# Allegro board XS6-9.brd (continued)
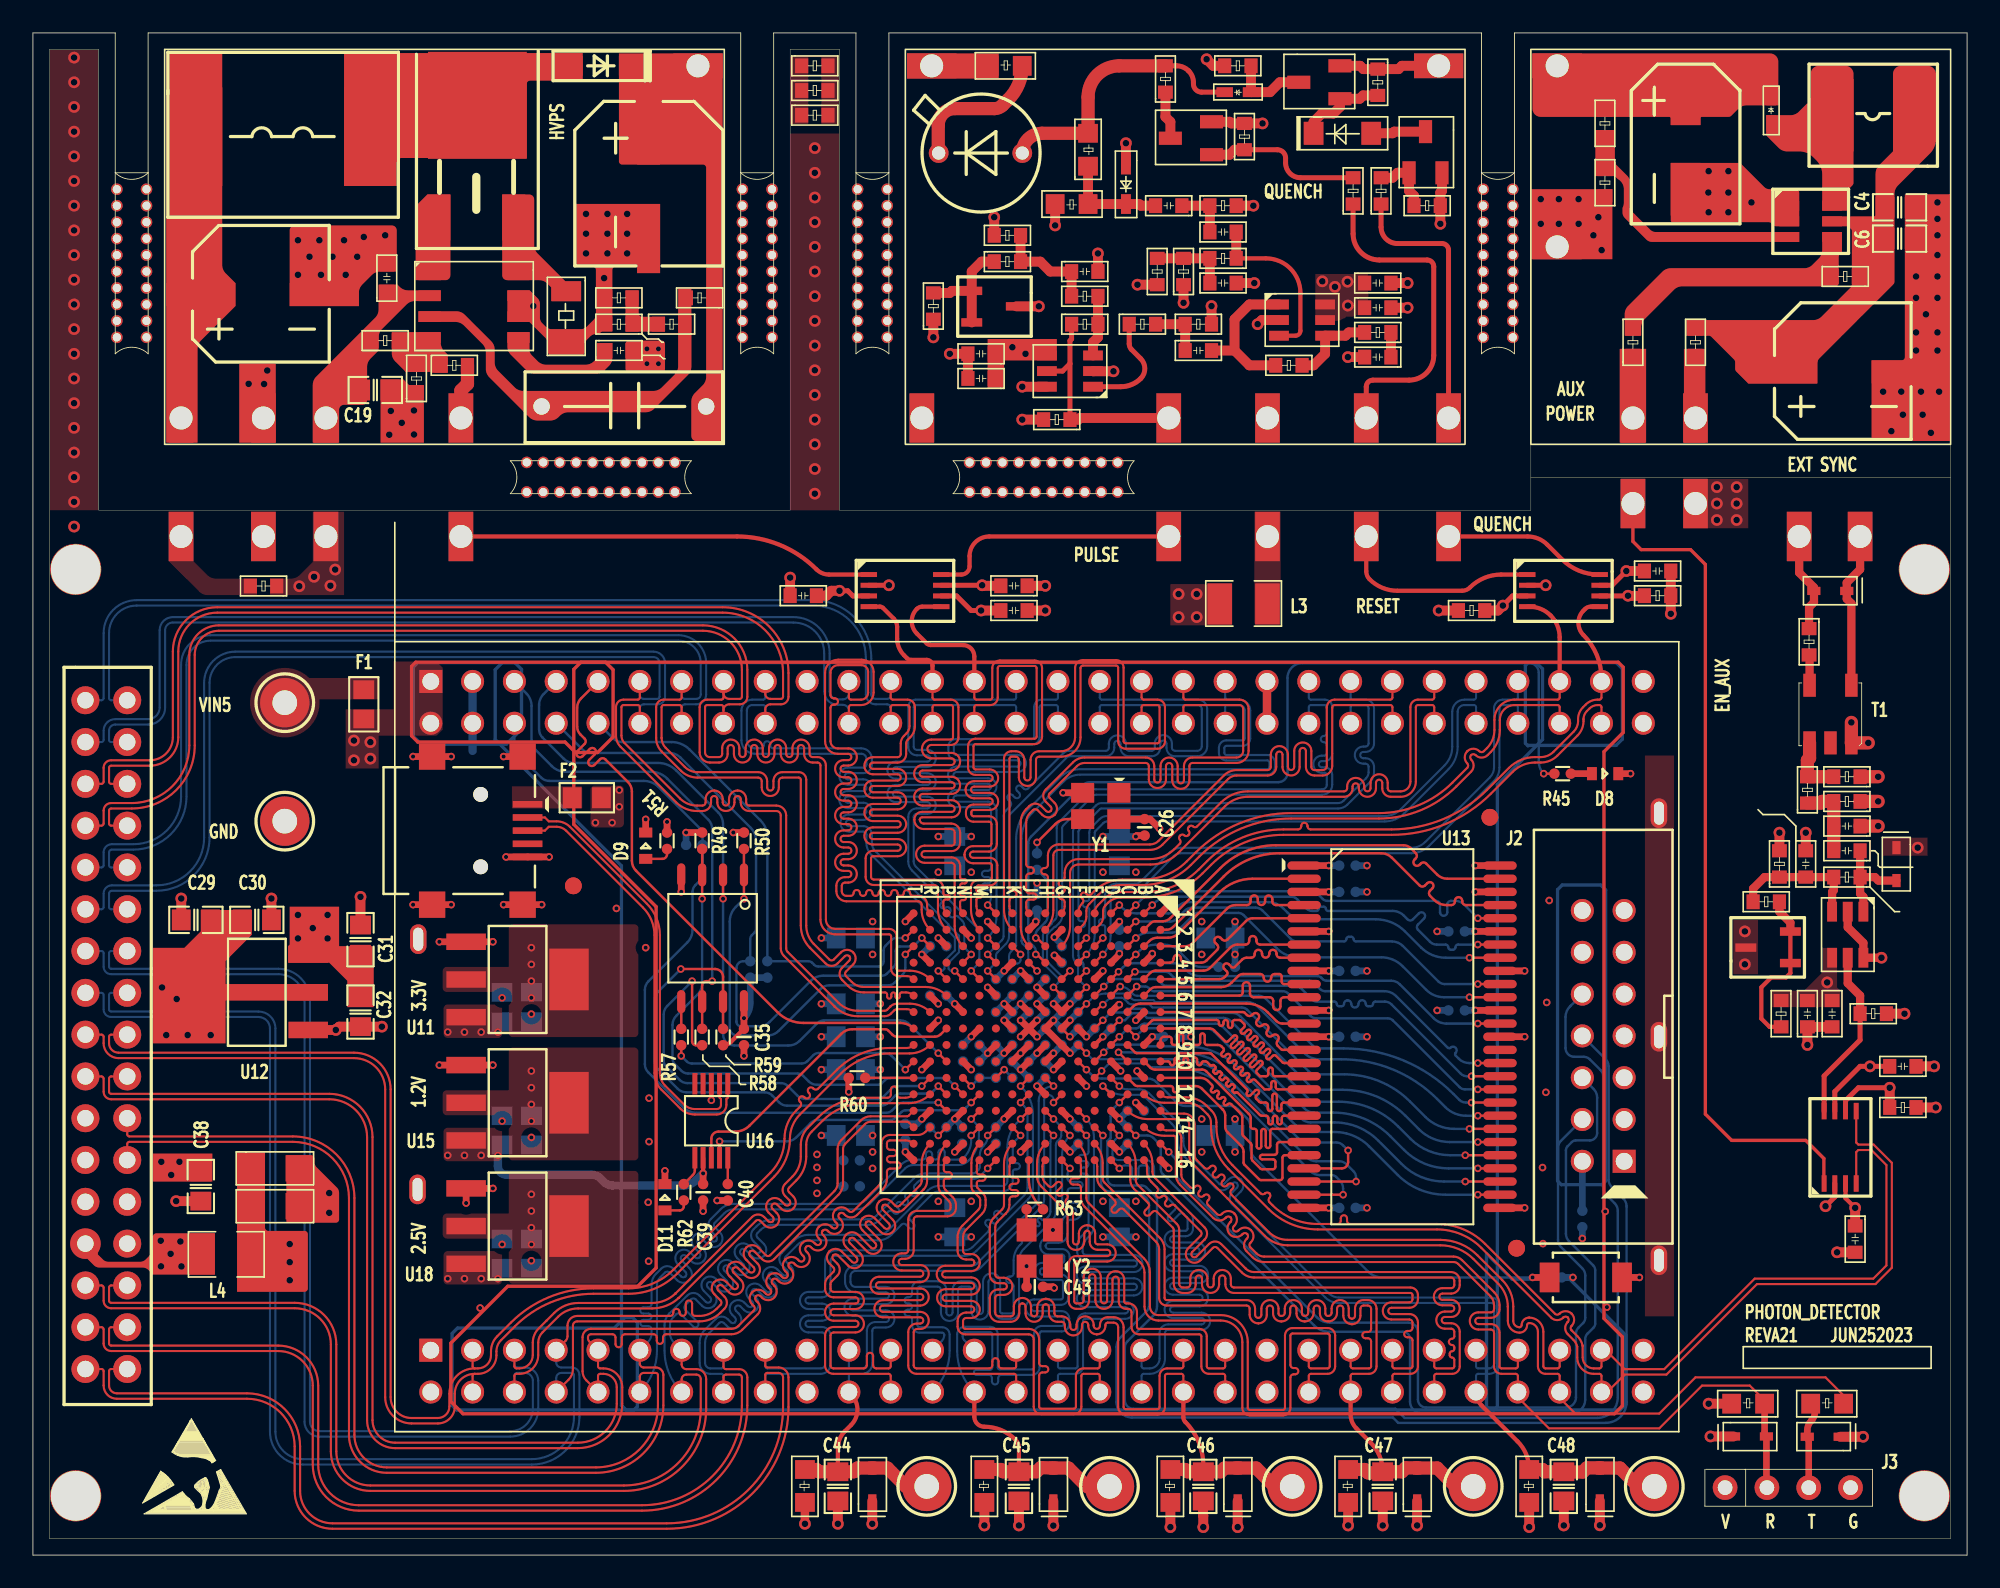
[diagram p0: board, top side]
## Routing (per net, layer and track width the routed paths; a pad name or vN(x,y) marks a point on that pad's centre or on a via; arc(x,y) is an arc through that point) (continued)
G12_L38P_1: length 51.4
  TOP w0.147: U14.G12 v3(62,27.5)
  TOP w0.254: C44.1 48.9,6.5 arc(49.01,7.05) 49.32,7.52 49.7,7.9 arc(50.09,8.84) 49.7,9.78 J6.22
  TOP w0.8: R66.1 47.6,5.2 47.74,5.06 C44.1 49.86,5.06 50.09,5.29 D14.2 51.91,5.29 53.02,4.18 TP31.1
  BOTTOM w0.127: J6.22 49.57,10.89 arc(49.61,10.98) 49.7,11.01 50.36,11.01 arc(50.81,11.2) 50.99,11.65 50.99,13.64 arc(51.05,13.78) 51.18,13.83 51.82,13.83 arc(52.34,14.35) 51.82,14.87 49.82,14.87 arc(49.63,15.06) 49.82,15.25 51.82,15.25 arc(52.34,15.77) 51.82,16.3 49.97,16.3 arc(49.76,16.39) 49.67,16.6 49.67,16.93 arc(49.77,17.18) 50.01,17.28 57.12,17.28 arc(57.36,17.32) 57.56,17.46 61.23,21.13 arc(61.38,21.35) 61.43,21.62 61.43,27.66 arc(61.72,27.95) 62,27.66 v3(62,27.5)
G14_L36P_1: length 52.7
  TOP w0.147: U14.G14 v3(63,25.5)
  TOP w0.254: J6.28 57.19,8.41 arc(57.37,7.98) 57.8,7.8 arc(58.82,7.6) 59.68,7.02 59.7,7 arc(59.85,6.78) 59.9,6.52 C45.1
  TOP w0.8: R67.1 58.8,5.2 58.94,5.06 C45.1 60.96,5.06 61.24,5.32 D15.2 62.91,5.29 64.02,4.18 TP32.1
  BOTTOM w0.127: J6.28 57.17,9.93 arc(56.41,11.06) 56.15,12.4 56.15,13.42 arc(56.28,13.74) 56.61,13.87 58.16,13.87 arc(58.48,13.74) 58.61,13.42 58.61,11.41 arc(58.65,11.32) 58.74,11.28 60.7,11.28 arc(60.79,11.32) 60.82,11.41 60.82,13.47 arc(60.96,13.79) 61.28,13.92 62.5,13.92 arc(62.59,13.96) 62.63,14.05 62.63,14.37 arc(62.59,14.46) 62.5,14.49 60.83,14.49 arc(60.31,15.02) 60.83,15.54 62.45,15.54 arc(62.54,15.57) 62.58,15.66 62.58,16.59 arc(62.54,16.68) 62.45,16.72 61.3,16.72 arc(60.98,16.85) 60.85,17.17 60.85,17.28 arc(60.99,17.62) 61.33,17.76 62.52,17.76 arc(62.61,17.8) 62.65,17.89 62.65,18.14 arc(62.61,18.23) 62.52,18.27 61.71,18.27 arc(61.34,18.42) 61.19,18.79 arc(61.34,19.16) 61.71,19.31 62.3,19.31 arc(62.46,19.37) 62.52,19.54 62.52,20.19 arc(62.68,20.56) 63.04,20.71 63.2,20.71 arc(63.39,20.9) 63.2,21.09 63.04,21.09 arc(62.68,21.24) 62.52,21.61 62.52,24.35 arc(62.65,24.97) v3(63,25.5)
G16_L36N_1: length 37.9
  TOP w0.147: U14.G16 v3(63,23.5)
  BOTTOM w0.127: J6.27 56.69,12.95 56.57,13.07 arc(56.5,13.17) 56.48,13.29 56.48,13.42 arc(56.52,13.51) 56.61,13.54 58.16,13.54 arc(58.25,13.51) 58.28,13.42 58.28,11.41 arc(58.24,11.3) 58.13,11.26 57.32,11.26 arc(57.16,11.1) 57.32,10.95 58.07,10.95 arc(58.2,10.9) 58.26,10.76 58.26,10.56 arc(58.45,10.37) 58.64,10.56 58.64,10.76 arc(58.7,10.9) 58.83,10.95 60.7,10.95 arc(61.02,11.09) 61.15,11.41 61.15,13.47 arc(61.19,13.56) 61.28,13.59 62.5,13.59 arc(62.82,13.73) 62.96,14.05 62.96,14.37 arc(62.82,14.69) 62.5,14.82 60.83,14.82 arc(60.64,15.02) 60.83,15.21 62.45,15.21 arc(62.77,15.34) 62.91,15.66 62.91,16.59 arc(62.77,16.91) 62.45,17.05 61.3,17.05 arc(61.21,17.08) 61.18,17.17 61.18,17.28 arc(61.22,17.38) 61.33,17.43 62.52,17.43 arc(62.85,17.56) 62.98,17.89 62.98,18.14 arc(62.85,18.46) 62.52,18.6 61.71,18.6 arc(61.58,18.65) 61.52,18.79 arc(61.58,18.92) 61.71,18.98 62.3,18.98 arc(62.69,19.14) 62.85,19.54 62.85,20.19 arc(62.91,20.33) 63.04,20.38 63.2,20.38 arc(63.72,20.9) 63.2,21.42 63.04,21.42 arc(62.91,21.48) 62.85,21.61 62.85,22.11 arc(62.91,22.25) 63.04,22.3 63.58,22.3 arc(63.77,22.49) 63.58,22.68 63.04,22.68 arc(62.91,22.74) 62.85,22.87 62.85,23.15 arc(62.89,23.34) v3(63,23.5)
H1_L39N_3: length 37.2
  TOP w0.127: J4.47 82.59,52.11 arc(82.55,52.02) 82.46,51.98 79.08,51.98 arc(78.74,51.84) 78.6,51.5 78.6,47.95 arc(78.53,47.78) 78.35,47.71 77.86,47.71 arc(77.72,47.76) 77.66,47.9 77.66,48.86 arc(77.14,49.38) 76.62,48.86 76.62,47.9 arc(76.43,47.71) 76.24,47.9 76.24,48.64 arc(75.72,49.16) 75.2,48.64 75.2,47.9 arc(75.15,47.76) 75.01,47.71 73.13,47.71 arc(72.72,47.62) 72.37,47.39 68.38,43.4 arc(68.14,43.24) 67.86,43.18 62.32,43.18 arc(61.85,42.99) 61.66,42.52 61.66,41.94 arc(61.6,41.81) 61.47,41.75 61.44,41.75 arc(61.25,41.56) 61.44,41.37 61.47,41.37 arc(61.6,41.31) 61.66,41.18 61.66,39.39 arc(61.62,39.18) U14.H1
H2_L39P_3: length 37.3
  TOP w0.127: J4.48 82.59,51.53 arc(82.55,51.62) 82.46,51.65 79.08,51.65 arc(78.98,51.61) 78.93,51.5 78.93,47.95 arc(78.76,47.54) 78.35,47.38 77.86,47.38 arc(77.49,47.53) 77.33,47.9 77.33,48.86 arc(77.14,49.05) 76.95,48.86 76.95,47.9 arc(76.43,47.38) 75.91,47.9 75.91,48.64 arc(75.72,48.83) 75.53,48.64 75.53,47.9 arc(75.38,47.53) 75.01,47.38 73.13,47.38 arc(72.84,47.32) 72.6,47.15 68.61,43.17 arc(68.27,42.93) 67.86,42.85 62.32,42.85 arc(62.09,42.76) 61.99,42.52 61.99,39.18 arc(61.86,38.54) U14.H2
H3_50MHZ_CLK: length 5.4
  TOP w0.147: U14.H3 61.05,37.45 arc(60.99,37.49) v3(60.92,37.5)
  BOTTOM w0.147: v3(60.92,37.5) 60.92,37.72 arc(60.95,37.86) 61.04,37.99 61.48,38.43 arc(61.6,38.61) 61.64,38.81 61.64,40.75 arc(61.59,40.98) 61.46,41.18 R72.1
H4_LED_3: length 54.1
  TOP w0.147: U14.H4 61.05,36.45 arc(60.99,36.49) v3(60.92,36.5) ; R45.2 v3(91.78,47.49)
  BOTTOM w0.147: v3(60.92,36.5) 60.92,36.7 arc(60.89,36.85) 60.81,36.97 60.57,37.21 arc(60.49,37.33) 60.47,37.46 60.47,43.26 arc(60.51,43.47) 60.63,43.65 63.75,46.77 arc(63.97,46.92) 64.23,46.97 75.65,46.97 arc(76.05,47.13) 76.21,47.53 76.21,53.3 arc(76.48,53.94) 77.12,54.21 90.9,54.21 arc(91.31,54.04) 91.48,53.62 91.48,48.21 arc(91.56,47.82) v3(91.78,47.49)
H11_L38N_1: length 37.9
  TOP w0.147: U14.H11 v3(62,28.5)
  BOTTOM w0.127: J6.21 49.57,11.47 arc(49.61,11.38) 49.7,11.34 50.36,11.34 arc(50.57,11.43) 50.66,11.65 50.66,13.64 arc(50.81,14.01) 51.18,14.16 51.82,14.16 arc(52.01,14.35) 51.82,14.54 49.82,14.54 arc(49.3,15.06) 49.82,15.58 51.82,15.58 arc(52.01,15.77) 51.82,15.97 49.97,15.97 arc(49.52,16.15) 49.34,16.6 49.34,16.93 arc(49.53,17.41) 50.01,17.61 57.12,17.61 arc(57.23,17.63) 57.33,17.69 60.33,20.69 arc(60.35,20.75) 60.33,20.82 arc(60.3,20.88) 60.33,20.94 60.47,21.09 arc(60.53,21.11) 60.59,21.09 arc(60.66,21.06) 60.72,21.09 60.99,21.36 arc(61.07,21.48) 61.1,21.62 61.1,27.6 arc(61.36,28.24) v3(62,28.5)
H13_L39P_1: length 37.9
  TOP w0.147: U14.H13 v3(62,26.5)
  BOTTOM w0.127: v3(62,26.5) 62.31,26.19 62.37,26.13 arc(62.45,26.02) 62.47,25.89 62.47,25.5 arc(62.45,25.39) 62.38,25.29 62.23,25.14 arc(62.19,25.08) 62.16,25.02 arc(62.15,24.97) 62.14,24.92 62.14,20.88 arc(62.08,20.58) 61.91,20.32 60.2,18.61 arc(59.98,18.29) 59.91,17.9 59.91,14.81 arc(59.77,14.49) 59.45,14.36 58.89,14.36 arc(58.56,14.49) 58.43,14.81 58.43,16.6 arc(58.24,16.79) 58.05,16.6 58.05,14.83 arc(57.53,14.31) 57.01,14.83 57.01,16.18 arc(56.97,16.27) 56.88,16.31 56.39,16.31 arc(56.26,16.26) 56.2,16.12 56.2,14.75 arc(55.68,14.23) 55.16,14.75 55.16,16.12 arc(55.1,16.26) 54.97,16.31 53.86,16.31 arc(53.77,16.27) 53.74,16.18 53.74,13.97 arc(53.77,13.88) 53.86,13.85 55.23,13.85 arc(55.56,13.71) 55.69,13.39 55.69,12.42 arc(55.42,11.06) J6.26
H14_L39N_1: length 37.9
  TOP w0.147: U14.H14 v3(62,25.5)
  BOTTOM w0.127: v3(62,25.5) 61.95,25.44 arc(61.85,25.3) 61.81,25.12 61.81,20.88 arc(61.78,20.7) 61.68,20.55 61.5,20.37 arc(61.41,20.34) 61.32,20.37 61.24,20.45 arc(61.06,20.45) 61.06,20.27 61.14,20.19 arc(61.14,20.01) 60.96,20.01 60.88,20.09 arc(60.7,20.09) 60.7,19.91 60.78,19.83 arc(60.78,19.65) 60.6,19.65 60.52,19.73 arc(60.34,19.73) 60.34,19.55 60.42,19.47 arc(60.42,19.29) 60.24,19.29 60.16,19.37 arc(59.98,19.37) 59.98,19.19 60.06,19.11 arc(60.09,19.02) 60.06,18.93 59.97,18.84 arc(59.68,18.41) 59.58,17.9 59.58,17.12 arc(59.52,16.98) 59.39,16.93 59.31,16.93 arc(59.12,16.74) 59.31,16.55 59.39,16.55 arc(59.52,16.49) 59.58,16.36 59.58,14.81 arc(59.54,14.72) 59.45,14.69 58.89,14.69 arc(58.8,14.72) 58.76,14.81 58.76,16.6 arc(58.24,17.12) 57.72,16.6 57.72,14.83 arc(57.53,14.64) 57.34,14.83 57.34,16.18 arc(57.2,16.51) 56.88,16.64 56.39,16.64 arc(56.02,16.49) 55.87,16.12 55.87,14.75 arc(55.68,14.56) 55.49,14.75 55.49,16.12 arc(55.34,16.49) 54.97,16.64 53.86,16.64 arc(53.54,16.51) 53.41,16.18 53.41,15.86 arc(53.35,15.73) 53.21,15.67 53.14,15.67 arc(52.95,15.48) 53.14,15.29 53.21,15.29 arc(53.41,15.1) 53.21,14.91 53.14,14.91 arc(52.95,14.72) 53.14,14.53 53.21,14.53 arc(53.35,14.47) 53.41,14.34 53.41,13.97 arc(53.54,13.65) 53.86,13.52 55.23,13.52 arc(55.32,13.48) 55.36,13.39 55.36,13.36 arc(55.32,13.18) 55.22,13.02 J6.25
H15_L37P_1: length 37.9
  TOP w0.127: J6.40 72.43,10.89 arc(72.39,10.98) 72.3,11.01 71.44,11.01 arc(71.12,11.15) 70.98,11.47 70.98,13.29 arc(70.95,13.38) 70.86,13.42 67.2,13.42 arc(66.87,13.55) 66.74,13.87 66.74,14.76 arc(66.68,14.91) 66.54,14.96 66.42,14.96 arc(66.1,15.1) 65.97,15.42 65.97,16.73 arc(65.78,16.92) 65.58,16.73 65.58,15.49 arc(65.06,14.96) 64.54,15.49 64.54,16.88 arc(64.35,17.07) 64.16,16.88 64.16,15.49 arc(64.01,15.12) 63.64,14.96 63.39,14.96 arc(63.06,15.1) 62.93,15.42 62.93,17.71 arc(63.06,18.04) 63.39,18.17 65.26,18.17 arc(65.45,18.36) 65.26,18.55 64.68,18.55 arc(64.34,18.69) 64.2,19.03 64.2,19.56 arc(64.16,19.67) 64.05,19.71 arc(63.92,19.66) 63.87,19.54 63.87,19.05 arc(63.36,18.54) 62.85,19.05 62.85,20.74 arc(62.84,20.8) 62.8,20.86 61.25,22.41 arc(61.07,22.69) 61,23.02 61,23.79 arc(61.13,24.45) U14.H15
H16_L37N_1: length 37.9
  TOP w0.127: J6.39 72.43,11.47 arc(72.39,11.38) 72.3,11.34 71.44,11.34 arc(71.35,11.38) 71.31,11.47 71.31,13.29 arc(71.18,13.61) 70.86,13.75 67.2,13.75 arc(67.11,13.78) 67.07,13.87 67.07,14.76 arc(66.91,15.14) 66.54,15.29 66.42,15.29 arc(66.33,15.33) 66.3,15.42 66.3,16.73 arc(65.78,17.25) 65.25,16.73 65.25,15.49 arc(65.06,15.29) 64.87,15.49 64.87,16.88 arc(64.35,17.4) 63.83,16.88 63.83,15.49 arc(63.78,15.35) 63.64,15.29 63.39,15.29 arc(63.3,15.33) 63.26,15.42 63.26,17.71 arc(63.3,17.8) 63.39,17.84 65.26,17.84 arc(65.78,18.36) 65.26,18.88 64.68,18.88 arc(64.58,18.93) 64.53,19.03 64.53,19.56 arc(64.39,19.9) 64.05,20.04 arc(63.69,19.9) 63.54,19.54 63.54,19.05 arc(63.36,18.87) 63.18,19.05 63.18,20.73 arc(63.15,20.93) 63.04,21.09 62.79,21.34 62.79,21.34 arc(62.73,21.48) 62.79,21.61 62.82,21.64 arc(62.82,21.91) 62.55,21.91 62.52,21.88 arc(62.25,21.88) 62.25,22.15 62.45,22.36 arc(62.45,22.63) 62.18,22.63 61.98,22.42 arc(61.84,22.36) 61.71,22.42 61.49,22.64 arc(61.37,22.81) 61.33,23.02 61.33,23.63 arc(61.37,23.81) 61.47,23.97 U14.H16
J1_L38N_3: length 37.2
  TOP w0.127: J4.37 69.89,52.11 arc(69.93,52.02) 70.02,51.98 73.29,51.98 arc(73.69,51.82) 73.85,51.43 73.85,48.87 arc(73.64,48.35) 73.12,48.14 70.45,48.14 arc(70.31,48.08) 70.25,47.95 70.25,47.08 arc(69.73,46.56) 69.21,47.08 69.21,47.95 arc(69.02,48.14) 68.83,47.95 68.83,47.13 arc(68.31,46.61) 67.79,47.13 67.79,47.95 arc(67.74,48.08) 67.6,48.14 63.89,48.14 arc(63.64,48.09) 63.42,47.94 61.76,46.28 arc(61.71,46.15) 61.76,46.01 62.06,45.72 arc(62.21,45.35) 62.06,44.98 arc(61.69,44.83) 61.32,44.98 61.03,45.28 arc(60.89,45.33) 60.76,45.28 60.58,45.1 arc(60.4,44.84) 60.34,44.53 60.34,41.99 arc(60.4,41.85) 60.53,41.8 60.63,41.8 arc(60.82,41.61) 60.63,41.42 60.53,41.42 arc(60.4,41.36) 60.34,41.23 60.34,40.4 arc(60.4,40.27) 60.53,40.21 60.78,40.21 arc(60.97,40.02) 60.78,39.83 60.53,39.83 arc(60.4,39.78) 60.34,39.64 60.34,39.39 arc(60.38,39.18) U14.J1
J3_L38P_3: length 37.2
  TOP w0.127: J4.38 69.89,51.53 arc(69.93,51.62) 70.02,51.65 73.29,51.65 arc(73.46,51.59) 73.52,51.43 73.52,48.87 arc(73.4,48.59) 73.12,48.47 70.45,48.47 arc(70.08,48.31) 69.92,47.95 69.92,47.08 arc(69.73,46.89) 69.54,47.08 69.54,47.95 arc(69.02,48.47) 68.5,47.95 68.5,47.13 arc(68.31,46.94) 68.12,47.13 68.12,47.95 arc(67.97,48.31) 67.6,48.47 63.89,48.47 arc(63.51,48.39) 63.19,48.18 61.53,46.52 arc(61.38,46.15) 61.53,45.78 61.83,45.48 arc(61.88,45.35) 61.83,45.21 arc(61.69,45.16) 61.56,45.21 61.26,45.51 arc(60.89,45.66) 60.52,45.51 60.34,45.33 arc(60.1,44.96) 60.01,44.53 60.01,38.18 arc(60.14,37.54) U14.J3
J4_L42N_GCLK24_3: length 37.3
  TOP w0.147: U14.J4 v3(61,35.5)
  BOTTOM w0.127: J4.39 72.43,52.11 arc(72.47,52.02) 72.56,51.98 73.29,51.98 arc(73.76,51.79) 73.95,51.32 73.95,49.64 arc(73.82,49.31) 73.5,49.18 72.51,49.18 arc(72.42,49.14) 72.38,49.05 72.38,48.75 arc(72.42,48.66) 72.51,48.62 75,48.62 arc(75.32,48.49) 75.45,48.16 75.45,47.88 arc(75.32,47.56) 75,47.43 63.61,47.43 arc(63.08,47.32) 62.63,47.02 60.72,45.11 arc(60.23,44.38) 60.06,43.52 60.06,37.34 arc(60.06,37.34) 60.06,37.34 60.06,37.3 arc(60.08,37.22) 60.12,37.15 60.34,36.94 60.34,36.93 arc(60.43,36.79) 60.47,36.63 60.47,36.17 arc(60.49,36.04) 60.56,35.94 v3(61,35.5)
J11_L40P_GCLK11_1: length 95
  TOP w0.127: J5.33 4.75,11.31 arc(4.66,11.27) 4.62,11.18 4.62,10.31 arc(4.76,9.97) 5.1,9.83 13,9.83 arc(15.28,8.88) 16.23,6.6 16.23,3.9 arc(16.81,2.51) 18.2,1.93 38.5,1.93 arc(43.5,4) 45.57,9 45.57,10.8 arc(45.49,10.99) 45.3,11.07 44.6,11.07 arc(44.52,11.04) 44.49,10.96 J6.18
  TOP w0.147: U14.J11 v3(60,28.5)
  BOTTOM w0.127: v3(60,28.5) 60.06,28.44 arc(60.57,27.68) 60.75,26.78 60.75,22.33 arc(60.67,21.95) 60.46,21.63 57.32,18.49 arc(56.99,18.27) 56.6,18.19 48.8,18.19 arc(48.55,18.09) 48.45,17.85 48.45,16.18 arc(48.3,15.82) 47.93,15.66 47.12,15.66 arc(46.93,15.47) 47.12,15.28 47.93,15.28 arc(48.45,14.76) 47.93,14.24 47.12,14.24 arc(46.93,14.05) 47.12,13.86 47.93,13.86 arc(48.3,13.71) 48.45,13.34 48.45,11.6 arc(48.28,11.19) 47.87,11.01 44.62,11.01 arc(44.53,10.98) 44.49,10.89 J6.18
J12_L40N_GCLK10_1: length 96.5
  TOP w0.127: J5.34 4.17,11.31 arc(4.26,11.27) 4.29,11.18 4.29,10.31 arc(4.53,9.74) 5.1,9.5 13,9.5 arc(15.05,8.65) 15.9,6.6 15.9,3.9 arc(16.57,2.27) 18.2,1.6 38.5,1.6 arc(43.73,3.77) 45.9,9 45.9,10.8 arc(45.72,11.22) 45.3,11.4 44.6,11.4 arc(44.52,11.43) 44.49,11.51 J6.17
  TOP w0.147: U14.J12 v3(60,27.5)
  BOTTOM w0.127: v3(60,27.5) 60.2,27.3 arc(60.36,27.06) 60.42,26.78 60.42,22.33 arc(60.37,22.08) 60.23,21.86 59.11,20.74 arc(58.97,20.69) 58.84,20.74 58.71,20.87 arc(58.44,20.87) 58.44,20.6 58.57,20.47 arc(58.57,20.2) 58.3,20.2 58.17,20.33 arc(57.9,20.33) 57.9,20.06 58.03,19.93 arc(58.08,19.8) 58.03,19.66 57.09,18.72 arc(56.86,18.57) 56.6,18.52 48.8,18.52 arc(48.32,18.32) 48.12,17.85 48.12,16.18 arc(48.07,16.05) 47.93,15.99 47.12,15.99 arc(46.6,15.47) 47.12,14.95 47.93,14.95 arc(48.12,14.76) 47.93,14.57 47.12,14.57 arc(46.6,14.05) 47.12,13.53 47.93,13.53 arc(48.07,13.47) 48.12,13.34 48.12,11.6 arc(48.05,11.42) 47.87,11.34 44.62,11.34 arc(44.53,11.38) 44.49,11.47 J6.17
J13_L41P_GCLK9_1: length 93.5
  TOP w0.127: J6.16 41.95,10.82 arc(41.99,10.93) 42.1,10.97 42.9,10.97 arc(43.02,10.92) 43.07,10.8 43.07,9.1 arc(41.29,4.81) 37,3.03 19.8,3.03 arc(18.05,3.75) 17.33,5.5 17.33,10.3 arc(16.62,12.02) 14.9,12.73 4.75,12.73 arc(4.66,12.77) 4.62,12.86 4.62,13.72 arc(4.66,13.81) 4.75,13.85 J5.31
  TOP w0.147: U14.J13 v3(60,26.5)
  BOTTOM w0.127: J6.16 41.95,10.89 arc(41.91,10.98) 41.82,11.01 41.16,11.01 arc(40.7,11.21) 40.5,11.68 40.5,12.89 arc(40.59,13.34) 40.84,13.71 41.47,14.34 arc(41.84,14.49) 42.2,14.34 42.4,14.14 arc(42.52,14.09) 42.64,14.14 42.64,14.15 arc(42.71,14.29) 42.64,14.44 42.47,14.61 arc(42.47,15.35) 43.21,15.35 43.43,15.13 arc(43.57,15.07) 43.7,15.13 arc(43.76,15.26) 43.7,15.4 43.48,15.62 arc(43.48,16.35) 44.22,16.35 44.54,16.03 arc(44.68,15.98) 44.81,16.03 arc(44.87,16.17) 44.81,16.3 44.49,16.62 arc(44.49,17.36) 45.22,17.36 45.55,17.04 arc(45.68,16.98) 45.82,17.04 arc(45.87,17.17) 45.82,17.31 45.49,17.63 arc(45.34,18) 45.49,18.37 46.21,19.08 arc(46.63,19.36) 47.12,19.46 51.36,19.46 arc(51.65,19.52) 51.91,19.69 54.37,22.15 arc(54.68,22.36) 55.05,22.43 58.9,22.43 arc(59.11,22.52) 59.2,22.73 59.2,24.77 arc(59.37,25.63) 59.85,26.35 v3(60,26.5)
J16_RFU_CLK: length 3.2
  TOP w0.147: U14.J16 60.5,22.86 arc(60.68,21.95) 61.2,21.17 R63.1
K1_L37N_3: length 37.3
  TOP w0.127: J4.35 67.35,52.11 arc(67.39,52.02) 67.48,51.98 68.32,51.98 arc(68.64,51.85) 68.77,51.53 68.77,49.46 arc(68.64,49.13) 68.32,49 66.38,49 arc(66.06,49.13) 65.93,49.46 65.93,53.93 arc(65.89,54.02) 65.8,54.06 63.79,54.06 arc(63.68,54.01) 63.64,53.91 63.64,49.69 arc(63.3,48.86) 62.47,48.52 61.13,48.52 arc(60.99,48.46) 60.94,48.33 60.94,47.26 arc(60.42,46.74) 59.9,47.26 59.9,48.33 arc(59.84,48.46) 59.7,48.52 59.45,48.52 arc(59.36,48.48) 59.32,48.39 59.32,40.55 arc(59.38,40.42) 59.51,40.36 59.56,40.36 arc(59.76,40.17) 59.56,39.98 59.51,39.98 arc(59.38,39.92) 59.32,39.79 59.32,39.43 arc(59.37,39.2) U14.K1
K2_L37P_3: length 37.3
  TOP w0.127: J4.36 67.35,51.53 arc(67.39,51.62) 67.48,51.65 68.32,51.65 arc(68.41,51.62) 68.44,51.53 68.44,49.46 arc(68.41,49.37) 68.32,49.33 66.38,49.33 arc(66.29,49.37) 66.26,49.46 66.26,53.93 arc(66.12,54.25) 65.8,54.39 63.79,54.39 arc(63.45,54.25) 63.31,53.91 63.31,49.69 arc(63.06,49.1) 62.47,48.85 61.13,48.85 arc(60.76,48.7) 60.61,48.33 60.61,47.26 arc(60.42,47.07) 60.23,47.26 60.23,48.33 arc(60.07,48.7) 59.7,48.85 59.45,48.85 arc(59.13,48.71) 58.99,48.39 58.99,39.22 arc(59.13,38.56) U14.K2
K3_L42P_GCLK25_3: length 37.2
  TOP w0.147: U14.K3 v3(60,36.5)
  BOTTOM w0.127: v3(60,36.5) 60,36.16 arc(59.94,36.01) 59.78,35.94 59.48,35.94 arc(59.35,36) 59.3,36.12 59.3,36.37 arc(59.33,36.54) 59.43,36.69 59.69,36.95 arc(59.72,36.99) 59.73,37.04 59.73,43.52 arc(59.93,44.51) 60.49,45.35 62.39,47.25 arc(62.95,47.63) 63.61,47.76 75,47.76 arc(75.09,47.79) 75.12,47.88 75.12,48.16 arc(75.09,48.25) 75,48.29 72.51,48.29 arc(72.18,48.42) 72.05,48.75 72.05,49.05 arc(72.18,49.37) 72.51,49.51 73.5,49.51 arc(73.59,49.55) 73.62,49.64 73.62,51.32 arc(73.52,51.56) 73.29,51.65 72.56,51.65 arc(72.47,51.62) 72.43,51.53 J4.40
K14_L41N_GCLK8_1: length 95.1
  TOP w0.127: J6.15 41.95,11.45 arc(41.99,11.34) 42.1,11.3 42.9,11.3 arc(43.25,11.15) 43.4,10.8 43.4,9.1 arc(41.53,4.57) 37,2.7 19.8,2.7 arc(17.82,3.52) 17,5.5 17,10.3 arc(16.38,11.78) 14.9,12.4 4.75,12.4 arc(4.43,12.53) 4.29,12.86 4.29,13.72 arc(4.26,13.81) 4.17,13.85 J5.32
  TOP w0.147: U14.K14 v3(60,25.5)
  BOTTOM w0.127: v3(60,25.5) 59.71,25.21 arc(59.57,25.01) 59.53,24.77 59.53,23.96 arc(59.57,23.86) 59.67,23.82 59.77,23.82 arc(59.9,23.77) 59.96,23.63 arc(59.9,23.5) 59.77,23.44 59.67,23.44 arc(59.57,23.4) 59.53,23.3 59.53,22.73 arc(59.34,22.29) 58.9,22.1 55.05,22.1 arc(54.81,22.05) 54.6,21.92 53.31,20.62 arc(53.25,20.49) 53.31,20.35 53.5,20.16 arc(53.5,19.89) 53.23,19.89 53.04,20.08 arc(52.9,20.14) 52.77,20.08 52.14,19.46 arc(51.78,19.21) 51.36,19.13 47.12,19.13 arc(46.75,19.06) 46.44,18.85 45.73,18.13 arc(45.67,18) 45.73,17.86 46.05,17.54 arc(46.2,17.17) 46.05,16.8 arc(45.68,16.65) 45.31,16.8 44.99,17.13 arc(44.72,17.13) 44.72,16.86 45.04,16.53 arc(45.2,16.17) 45.04,15.8 arc(44.68,15.64) 44.31,15.8 43.98,16.12 arc(43.72,16.12) 43.71,15.85 43.94,15.63 arc(44.09,15.26) 43.94,14.89 arc(43.57,14.74) 43.2,14.89 42.98,15.11 arc(42.71,15.11) 42.71,14.84 42.88,14.67 arc(43.04,14.29) 42.88,13.91 arc(42.52,13.76) 42.17,13.91 41.97,14.11 arc(41.84,14.16) 41.7,14.11 41.08,13.48 arc(40.9,13.21) 40.83,12.89 40.83,11.68 arc(40.93,11.44) 41.16,11.34 41.82,11.34 arc(41.91,11.38) 41.95,11.47 J6.15
K15_L44P_1: length 51.1
  TOP w0.127: J6.38 69.89,10.89 arc(69.85,10.98) 69.76,11.01 68.9,11.01 arc(68.81,10.98) 68.77,10.89 68.77,9 arc(68.64,8.67) 68.32,8.54 66.38,8.54 arc(66.06,8.67) 65.93,9 65.93,13.85 arc(65.85,14.04) 65.65,14.13 65.29,14.13 arc(65.19,14.09) 65.15,13.99 65.15,13.94 arc(65,13.57) 64.63,13.42 arc(64.26,13.57) 64.11,13.94 64.11,13.99 arc(63.92,14.18) 63.73,13.99 63.73,13.87 arc(63.21,13.35) 62.69,13.87 62.69,13.99 arc(62.63,14.12) 62.5,14.18 62.24,14.18 arc(61.88,14.33) 61.72,14.7 61.72,15.05 arc(61.67,15.19) 61.53,15.24 arc(61.4,15.19) 61.34,15.05 61.34,14.7 arc(60.82,14.18) 60.3,14.7 60.3,15.1 arc(60.25,15.24) 60.11,15.29 60.11,15.29 arc(59.98,15.24) 59.92,15.1 59.92,14.7 arc(59.77,14.33) 59.4,14.18 58.69,14.18 arc(58.29,14.34) 58.13,14.74 58.13,15.62 arc(58.28,15.99) 58.65,16.14 58.98,16.14 arc(59.17,16.33) 58.98,16.52 58.65,16.52 arc(58.28,16.68) 58.13,17.04 58.13,19.92 arc(58.19,20.23) 58.37,20.49 58.87,21 arc(58.96,21.13) 58.99,21.29 58.99,23.78 arc(59.13,24.44) U14.K15
  TOP w0.254: J6.38 69.89,8.37 arc(69.92,8.22) 70,8.1 arc(70.81,6.88) 71.1,5.44 C46.1
  TOP w0.8: TP33.1 75.43,4.18 74.31,5.29 D16.2 72.39,5.29 72.16,5.06 C46.1 70.14,5.06 70,5.2 R68.1
K16_L44N_1: length 37.9
  TOP w0.127: U14.K16 59.48,23.98 arc(59.36,23.81) 59.32,23.6 59.32,23.13 arc(59.38,23) 59.51,22.94 59.69,22.94 arc(59.88,22.75) 59.69,22.56 59.51,22.56 arc(59.32,22.37) 59.51,22.18 59.69,22.18 arc(59.88,21.99) 59.69,21.8 59.51,21.8 arc(59.38,21.75) 59.32,21.61 59.32,21.29 arc(59.27,21.01) 59.11,20.77 58.6,20.26 arc(58.5,20.11) 58.46,19.92 58.46,17.04 arc(58.52,16.91) 58.65,16.85 58.98,16.85 arc(59.5,16.33) 58.98,15.81 58.65,15.81 arc(58.52,15.76) 58.46,15.62 58.46,14.74 arc(58.53,14.58) 58.69,14.51 59.4,14.51 arc(59.53,14.56) 59.59,14.7 59.59,15.1 arc(59.74,15.47) 60.11,15.62 60.11,15.62 arc(60.48,15.47) 60.63,15.1 60.63,14.7 arc(60.82,14.51) 61.01,14.7 61.01,15.05 arc(61.17,15.42) 61.53,15.57 arc(61.9,15.42) 62.05,15.05 62.05,14.7 arc(62.11,14.56) 62.24,14.51 62.5,14.51 arc(62.87,14.35) 63.02,13.99 63.02,13.87 arc(63.21,13.68) 63.4,13.87 63.4,13.99 arc(63.92,14.51) 64.44,13.99 64.44,13.94 arc(64.63,13.75) 64.82,13.94 64.82,13.99 arc(64.96,14.32) 65.29,14.46 65.65,14.46 arc(66.08,14.28) 66.26,13.85 66.26,9 arc(66.29,8.91) 66.38,8.87 68.32,8.87 arc(68.41,8.91) 68.44,9 68.44,10.89 arc(68.58,11.21) 68.9,11.34 69.76,11.34 arc(69.85,11.38) 69.89,11.47 J6.37
L1_L36N_3: length 37.2
  TOP w0.147: U14.L1 v3(58,39.5)
  BOTTOM w0.127: J4.31 62.27,52.11 arc(62.23,52.02) 62.14,51.98 61.28,51.98 arc(60.96,51.85) 60.82,51.53 60.82,49.71 arc(60.79,49.62) 60.7,49.58 56.07,49.58 arc(55.75,49.45) 55.62,49.13 55.62,48.75 arc(55.75,48.43) 56.07,48.3 59.81,48.3 arc(60,48.11) 59.81,47.92 56.11,47.92 arc(55.59,47.4) 56.11,46.87 58.02,46.87 arc(58.21,46.68) 58.02,46.49 56.11,46.49 arc(55.59,45.97) 56.11,45.45 58.02,45.45 arc(58.15,45.4) 58.21,45.26 58.21,41.77 arc(58.15,41.64) 58.02,41.58 57.84,41.58 arc(57.65,41.39) 57.84,41.2 58.02,41.2 arc(58.21,41.01) 58.02,40.82 57.84,40.82 arc(57.65,40.63) 57.84,40.44 58.02,40.44 arc(58.15,40.39) 58.21,40.25 58.21,40 arc(58.15,39.73) v3(58,39.5)
L3_L36P_3: length 37.2
  TOP w0.147: v3(58,37.5) U14.L3
  BOTTOM w0.127: J4.32 62.27,51.53 arc(62.23,51.62) 62.14,51.65 61.28,51.65 arc(61.19,51.62) 61.15,51.53 61.15,49.71 arc(61.02,49.39) 60.7,49.25 56.07,49.25 arc(55.98,49.22) 55.95,49.13 55.95,48.75 arc(55.98,48.66) 56.07,48.63 59.81,48.63 arc(60.33,48.11) 59.81,47.59 56.11,47.59 arc(55.92,47.4) 56.11,47.21 58.02,47.21 arc(58.54,46.68) 58.02,46.16 56.11,46.16 arc(55.92,45.97) 56.11,45.78 58.02,45.78 arc(58.38,45.63) 58.54,45.26 58.54,38.79 arc(58.4,38.09) v3(58,37.5)
L4_L45P_3: length 37.2
  TOP w0.147: U14.L4 v3(58,36.5)
  BOTTOM w0.127: v3(58,36.5) 58.87,37.37 arc(58.94,37.48) 58.97,37.61 58.97,44.91 arc(59,45.08) 59.1,45.23 59.38,45.51 arc(59.43,45.64) 59.38,45.78 59.24,45.91 arc(59.24,46.18) 59.51,46.18 59.65,46.05 arc(59.91,46.05) 59.91,46.32 59.78,46.45 arc(59.78,46.72) 60.05,46.72 60.18,46.58 arc(60.32,46.53) 60.45,46.58 62.61,48.74 arc(62.76,48.84) 62.93,48.87 65.17,48.87 arc(65.31,48.93) 65.36,49.06 65.36,49.29 arc(65.88,49.81) 66.4,49.29 66.4,49.06 arc(66.46,48.93) 66.59,48.87 67.96,48.87 arc(68.1,48.93) 68.15,49.06 68.15,49.31 arc(68.67,49.83) 69.19,49.31 69.19,49.06 arc(69.25,48.93) 69.38,48.87 70.73,48.87 arc(70.93,48.95) 71.01,49.15 71.01,51.41 arc(70.94,51.58) 70.76,51.65 64.94,51.65 arc(64.85,51.62) 64.81,51.53 J4.34
L5_L45N_3: length 37.2
  TOP w0.147: U14.L5 v3(58,35.5)
  BOTTOM w0.127: J4.33 64.81,52.11 arc(64.85,52.02) 64.94,51.98 70.76,51.98 arc(71.17,51.82) 71.34,51.41 71.34,49.15 arc(71.16,48.72) 70.73,48.54 69.38,48.54 arc(69.02,48.7) 68.86,49.06 68.86,49.31 arc(68.67,49.5) 68.48,49.31 68.48,49.06 arc(68.33,48.7) 67.96,48.54 66.59,48.54 arc(66.22,48.7) 66.07,49.06 66.07,49.29 arc(65.88,49.48) 65.69,49.29 65.69,49.06 arc(65.54,48.7) 65.17,48.54 62.93,48.54 arc(62.88,48.53) 62.84,48.51 59.34,45 arc(59.31,44.96) 59.3,44.91 59.3,37.61 arc(59.25,37.35) 59.1,37.13 58.59,36.62 arc(58.53,36.53) 58.51,36.43 58.51,36.15 arc(58.49,36.02) 58.41,35.91 v3(58,35.5)
L14_L47P_1: length 91.8
  TOP w0.127: J5.29 4.75,16.39 arc(4.66,16.35) 4.62,16.26 4.62,15.46 arc(4.66,15.37) 4.75,15.33 15.9,15.33 arc(17.69,14.59) 18.43,12.8 18.43,6.3 arc(19.04,4.84) 20.5,4.23 35.9,4.23 arc(39.2,5.6) 40.57,8.9 40.57,10.7 arc(40.49,10.89) 40.3,10.97 39.7,10.97 arc(39.49,10.88) 39.41,10.68 J6.14
  TOP w0.147: U14.L14 v3(58,25.5)
  BOTTOM w0.127: v3(58,25.5) 58,25.44 arc(57.94,25.15) 57.77,24.89 57.77,24.89 arc(57.59,24.61) 57.52,24.28 57.52,23.59 arc(57.5,23.49) 57.45,23.42 57.31,23.28 arc(57.22,23.22) 57.11,23.19 54.23,23.19 arc(53.84,23.12) 53.52,22.9 52.09,21.48 51.23,20.62 arc(50.99,20.46) 50.71,20.4 44.96,20.4 arc(44.42,20.29) 43.96,19.99 43.78,19.8 arc(43.63,19.43) 43.78,19.07 44.17,18.68 arc(44.22,18.54) 44.17,18.41 arc(44.03,18.35) 43.9,18.41 43.51,18.8 arc(42.77,18.8) 42.77,18.06 43.16,17.67 arc(43.22,17.54) 43.16,17.4 arc(43.02,17.35) 42.89,17.4 42.5,17.79 arc(41.77,17.79) 41.77,17.05 42.15,16.67 arc(42.21,16.53) 42.15,16.4 arc(42.02,16.34) 41.88,16.4 41.5,16.78 arc(40.76,16.78) 40.76,16.05 41.15,15.66 arc(41.2,15.52) 41.15,15.39 arc(41.01,15.33) 40.88,15.39 40.49,15.78 arc(40.12,15.93) 39.75,15.78 38.67,14.7 arc(38.45,14.36) 38.37,13.96 38.37,12.42 arc(38.64,11.06) J6.14
